# KiCad board MegaGRRLDesktop.kicad_pcb-v0.6.kicad_pcb
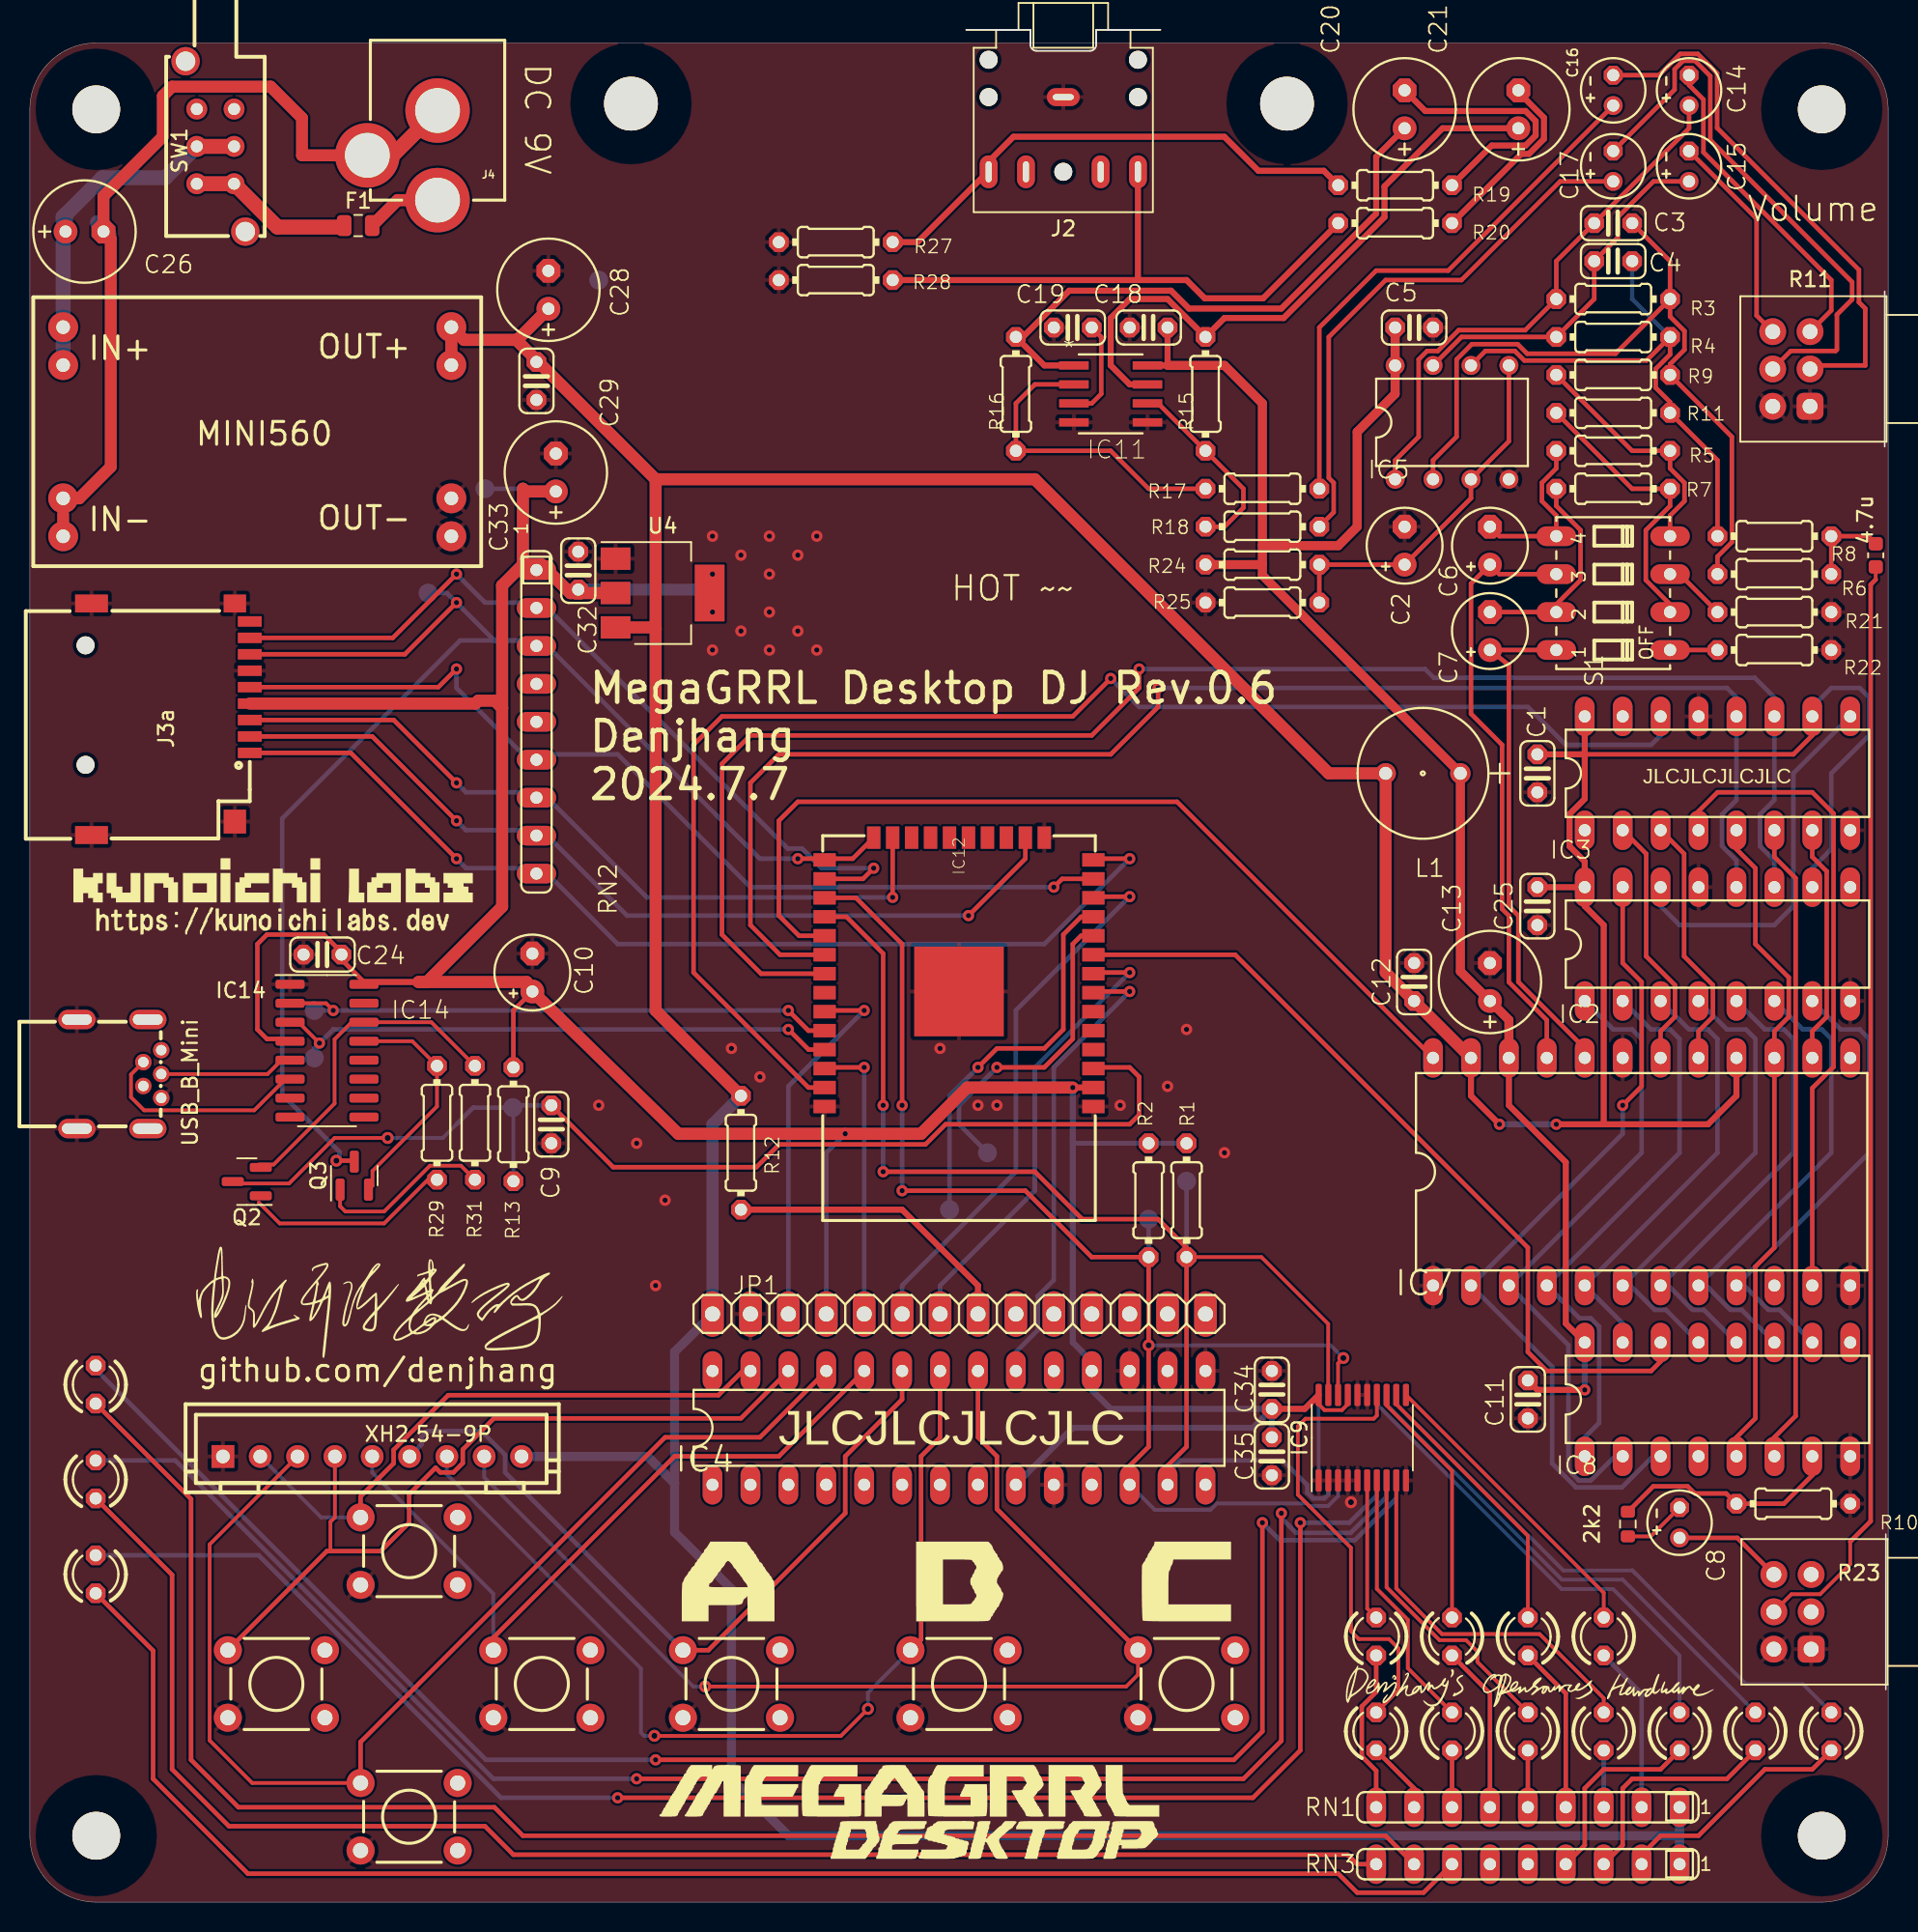
[diagram p0: board, top side]
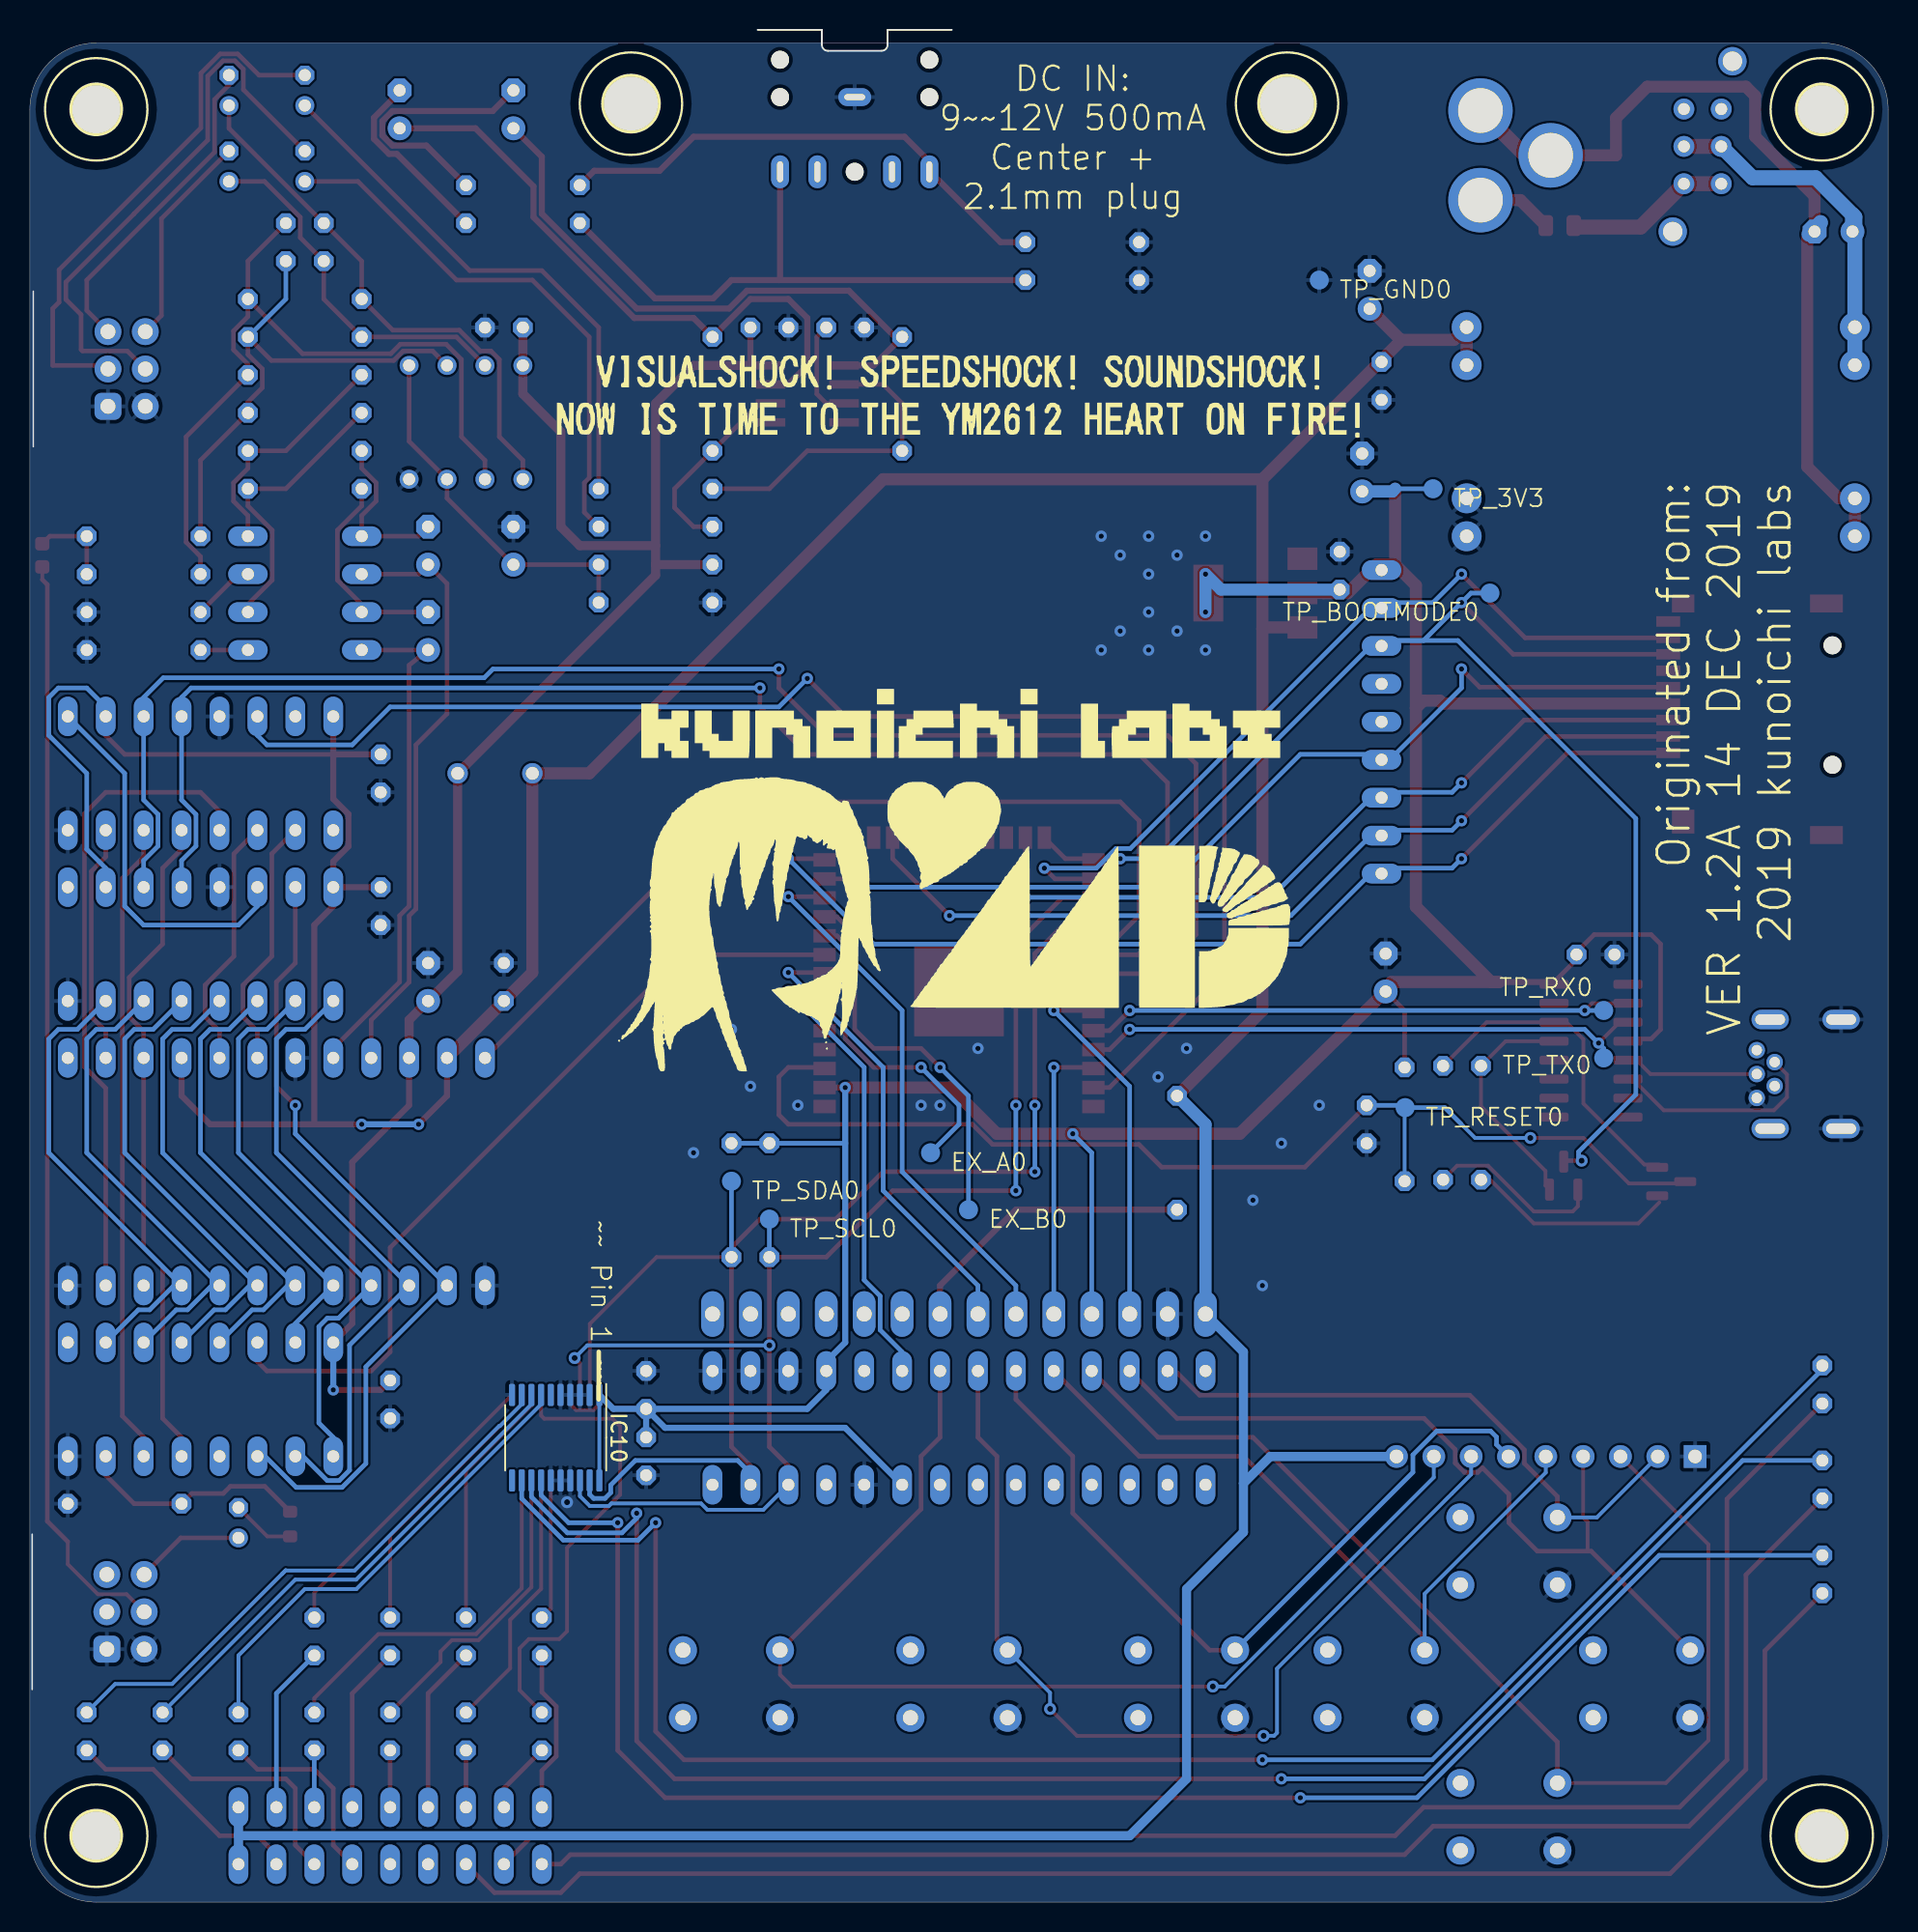
[diagram p1: board, bottom side, seen from below]

Outline 124.46 x 125.33 mm; copper layers: Top, Bottom. Coordinates in mm from the lower left corner of the outline.
Outline path: 0,120.01 0,4.44 arc(1.3,1.3) 4.44,0 120.02,0 arc(123.16,1.3) 124.46,4.44 124.46,120.01 arc(123.16,123.16) 120.02,124.46 4.44,124.46 arc(1.3,123.16) 0,120.01
Stack: Top 0.035mm / dielectric 1.51mm FR4 er 4.5 / Bottom 0.035mm

## Placement (name value [footprint] x y rotation side)
2k2  -  [R_0603_1608Metric]  107.03 25.31 270 top
4.7u  -  [C_0603_1608Metric]  123.63 90.16 90 top
C1  0.1uF  [C025-024X044]  100.96 75.56 270 top
C2  10uF  [E2,5-5]  92.08 90.8 90 top
C3  120pF  [C025-024X044]  106.05 112.39 180 top
C4  120pF  [C025-024X044]  106.05 109.85 180 top
C5  0.1uF  [C025-024X044]  92.71 105.41 0 top
C6  10uF  [E2,5-5]  97.79 90.8 90 top
C7  10uF  [E2,5-5]  97.79 85.09 90 top
C8  1uF  [E2-4]  110.49 25.4 90 top
C9  0.1uF  [C025-024X044]  34.92 52.07 270 top
C10  10uF  [E2,5-5]  33.66 62.23 90 top
C11  0.1uF  [C025-024X044]  100.33 33.66 270 top
C12  0.1uF  [C025-024X044]  92.71 61.59 90 top
C13  330uF  [E2,5-7]  97.79 61.59 90 top
C14  1uF  [E2-4]  111.12 121.28 90 top
C15  1uF  [E2-4]  111.12 116.2 90 top
C16  1uF  [E2-4]  106.05 121.28 90 top
C17  1uF  [E2-4]  106.05 116.2 90 top
C18  0.1uF  [C025-024X044]  74.93 105.41 180 top
C19  0.1uF  [C025-024X044]  69.85 105.41 180 top
C20  100uF  [E2,5-7]  92.08 120.01 90 top
C21  100uF  [E2,5-7]  99.7 120.01 90 top
C24  0.1uF  [C025-024X044]  19.6 63.43 180 top
C25  0.1uF  [C025-024X044]  100.96 66.67 270 top
C26  100uF  [E2,5-7]  3.66 111.83 0 top
C28  100uF  [E2,5-7]  34.73 107.93 90 top
C29  0.1uF  [C025-024X044]  33.93 101.83 270 top
C32  0.1uF  [C025-024X044]  36.73 89.13 90 top
C33  100uF  [E2,5-7]  35.23 95.7 90 top
C34  0.1uF  [C025-024X044]  83.18 34.29 90 top
C35  0.1uF  [C025-024X044]  83.18 29.84 270 top
EX_A0  TPB1,27  [B1,27]  64.14 50.16 180 bottom
EX_B0  TPB1,27  [B1,27]  61.59 46.35 180 bottom
F1  -  [Fuse_0805_2012Metric]  21.99 112.23 0 top
G***  LOGO  [MegaGRRL Desktop]  59.33 5.83 0 top
G***#2  LOGO  [ABC.kicad2_mod]  62.03 21.73 0 top
G***#3  LOGO  [website]  16.53 67.43 0 top
G***#4  LOGO  [Denjhang]  100.53 14.23 0 top
G***#5  LOGO  [电江]  23.23 40.23 0 top
G***#6  LOGO  [heart on fire]  62.33 100.63 180 bottom
G***#7  LOGO  [natalie-md]  62.53 68.23 180 bottom
H3  MOUNT-HOLE3.2  [3,2]  4.44 120.01 180 bottom
H4  MOUNT-HOLE3.2  [3,2]  4.44 4.44 180 bottom
H5  MOUNT-HOLE3.6  [3,6]  40.26 120.4 180 bottom
H6  MOUNT-HOLE3.6  [3,6]  84.2 120.4 180 bottom
H7  MOUNT-HOLE3.2  [3,2]  120.02 4.44 180 bottom
H8  MOUNT-HOLE3.2  [3,2]  120.02 120.01 180 bottom
IC2  74HCT595N  [DIL16]  113.03 64.13 0 top
IC3  74HCT595N  [DIL16]  113.03 75.56 0 top
IC4  MCP23017SP  [DIL28-3]  62.23 31.75 0 top
IC5  NE5532N  [DIL08]  95.25 99.06 0 top
IC7  -  [YM2612]  107.95 48.89 0 top
IC8  -  [SN76489]  107.95 33.66 0 top
IC9  PCA9634PW  [TSSOP-20_4.4x6.5mm_P0.65mm]  89.24 31.09 90 top
IC10  PCA9634PW  [TSSOP-20_4.4x6.5mm_P0.65mm]  89.24 31.09 270 bottom
IC11  TPA6111A2DR  [D8]  72.39 100.96 0 top
IC12  ESP-WROOM-32ESP-WROOM-32-NO-RF  [ESP-WROOM-32-NO-RF]  62.23 60.96 270 top
IC14  CH340C  [SOIC-16_3.9x9.9mm_P1.27mm]  19.9 57 0 top
J2  35RAPC4BHN2  [Jack_3.5mm_CUI_SJ1-3525N_Horizontal]  69.21 120.83 180 top
J3a  std:8630a74813a14cdca67e7b05dd5d2bc3  [TF-SMD_TF-PUSH]  9.43 79.18 270 top
J4  POWER_JACK  [POWER_JACK_PTH]  27.3 127.63 180 top
JP1  -  [ILI9341_2_4]  62.23 39.37 0 top
L1  RL622-101K-RC  [RL622_SERIES]  90.8 75.56 180 top
LED1  -  [LED3MM]  90.17 11.43 90 top
LED2  -  [LED3MM]  95.25 11.43 90 top
LED3  -  [LED3MM]  100.33 11.43 90 top
LED4  -  [LED3MM]  105.41 11.43 90 top
LED5  -  [LED3MM]  110.49 11.43 90 top
LED6  -  [LED3MM]  115.57 11.43 90 top
LED7  -  [LED3MM]  120.65 11.43 90 top
LED8  -  [LED3MM]  90.17 17.78 90 top
LED9  -  [LED3MM]  95.25 17.78 90 top
LED10  -  [LED3MM]  100.33 17.78 90 top
LED11  -  [LED3MM]  105.41 17.78 90 top
LED12  -  [LED3MM]  4.41 34.65 90 top
LED13  -  [LED3MM]  4.41 28.3 90 top
LED14  -  [LED3MM]  4.41 21.95 90 top
Q2  2SC1815HF  [SOT-23]  14.53 48.23 180 top
Q3  2SC1815HF  [SOT-23]  21.73 48.63 90 top
R1  2k2  [0204_7]  77.47 46.99 90 top
R2  2k2  [0204_7]  74.93 46.99 90 top
R3  82k  [0204_7]  106.05 107.31 0 top
R4  82k  [0204_7]  106.05 104.78 0 top
R5  47k  [0204_7]  106.05 97.16 180 top
R6  47K  [0204_7]  116.84 88.9 0 top
R7  47k  [0204_7]  106.05 94.61 180 top
R8  47K  [0204_7]  116.84 91.44 0 top
R9  5k6  [0204_7]  106.05 102.23 180 top
R10  2k2  [0204_7]  118.11 26.67 0 top
R11  5k6  [0204_7]  106.05 99.69 180 top
R11#2  -  [Potentiometer_Alps_RK097_Dual_Horizontal]  119.23 100.13 180 top
R12  100R  [0204_7]  47.62 50.16 90 top
R13  10k  [0204_7]  32.38 52.07 90 top
R15  15k  [0204_7]  78.74 100.96 90 top
R16  15k  [0204_7]  66.04 100.96 90 top
R17  10k  [0204_7]  82.55 94.61 180 top
R18  10k  [0204_7]  82.55 92.07 180 top
R19  10R  [0204_7]  91.44 114.94 180 top
R20  10R  [0204_7]  91.44 112.39 180 top
R21  2k2  [0204_7]  116.84 86.36 180 top
R22  2k2  [0204_7]  116.84 83.82 180 top
R23  -  [Potentiometer_Alps_RK097_Dual_Horizontal]  119.3 16.93 180 top
R24  100k  [0204_7]  82.55 89.53 180 top
R25  100k  [0204_7]  82.55 86.99 0 top
R27  10k  [0204_7]  53.98 111.12 0 top
R28  10k  [0204_7]  53.98 108.58 0 top
R29  10k  [0204_7]  27.27 52.17 270 top
R31  10k  [0204_7]  29.81 52.17 270 top
REF**  std:49f2b71367e441ef98f3fd00a8fa66d5  [MINI560DC-DC]  15.23 98.43 0 top
RN1  1k  [SIL9]  100.33 6.35 180 top
RN2  10k  [SIL9]  33.93 79.01 270 top
RN3  1k  [SIL9]  100.33 2.54 180 top
S1  -  [DIP04S]  106.05 87.63 90 top
SW1  std:d3d4a25bb1344bd597a3916e4358391c  [SW-TH_PS-22E05]  12.43 117.53 90 top
SWA0  MOMENTARY-SWITCH-SPST-PTH-6.0MM  [TACTILE_SWITCH_PTH_6.0MM]  46.99 14.6 0 top
SWB0  MOMENTARY-SWITCH-SPST-PTH-6.0MM  [TACTILE_SWITCH_PTH_6.0MM]  62.23 14.6 0 top
SWC0  MOMENTARY-SWITCH-SPST-PTH-6.0MM  [TACTILE_SWITCH_PTH_6.0MM]  77.47 14.6 0 top
SWDOWN0  MOMENTARY-SWITCH-SPST-PTH-6.0MM  [TACTILE_SWITCH_PTH_6.0MM]  25.4 5.72 0 top
SWLEFT0  MOMENTARY-SWITCH-SPST-PTH-6.0MM  [TACTILE_SWITCH_PTH_6.0MM]  16.51 14.6 0 top
SWRIGHT0  MOMENTARY-SWITCH-SPST-PTH-6.0MM  [TACTILE_SWITCH_PTH_6.0MM]  34.29 14.6 0 top
SWUP0  MOMENTARY-SWITCH-SPST-PTH-6.0MM  [TACTILE_SWITCH_PTH_6.0MM]  25.4 23.5 0 top
TP_3V3  TPB1,27  [B1,27]  30.48 94.61 180 bottom
TP_BOOTMODE0  TPB1,27  [B1,27]  26.67 87.63 180 bottom
TP_GND0  TPB1,27  [B1,27]  38.1 108.58 180 bottom
TP_RESET0  TPB1,27  [B1,27]  32.35 53.19 180 bottom
TP_RX0  TPB1,27  [B1,27]  19.05 59.69 180 bottom
TP_SCL0  TPB1,27  [B1,27]  74.93 45.72 180 bottom
TP_SDA0  TPB1,27  [B1,27]  77.47 48.26 180 bottom
TP_TX0  TPB1,27  [B1,27]  19.05 56.52 180 bottom
U4  AMS1117-3.3V  [SOT-223]  42.38 87.63 0 top
USB_B_Mini  std:7855732209194fd8b3b99fb1f41f7c12  [USB-MINI-SMD_HX-MINI-5P-4J]  5.97 55.43 270 top
XH2.54-9P  std:f55dec43d47241219f1ef8a3f0efb8e3  [CONN-TH_9P-P2.50_ZX-XH2.54-9PZZ]  22.93 29.83 0 top

## Library data of the parts
C24 C35 = -: Description: Unpolarized capacitor
IC14 = -: Description: USB serial converter, UART, SOIC-16
R29 R31 = -: Description: Resistor

## Footprints (pads in the part's own frame, mm; a bottom-side part is the same pattern mirrored in y, then rotated)
3,2
  round 3.2 hole 3.2 unplated: (0,0)
3,6
  round 3.6 hole 3.6 unplated: (0,0)
0204_7
  rrect 1.321x1.321 hole 0.813: 1(-3.81,0) 2(3.81,0)
B1,27
  rrect 1.27x1.27 smd: TP(0,0)
C025-024X044
  rrect 1.321x1.321 hole 0.813: 1(-1.27,0) 2(1.27,0)
C_0603_1608Metric
  rrect 0.9x0.95 smd: 1(-0.775,0) 2(0.775,0)
CONN-TH_9P-P2.50_ZX-XH2.54-9PZZ
  rect 1.524x1.524 hole 0.914: 1(-10,0)
  round 1.524 hole 0.914: 2(-7.5,0) 3(-5,0) 4(-2.5,0) 5(0,0) 6(2.5,0) 7(5,0) 8(7.5,0) 9(10,0)
D8
  rect 1.981x0.559 smd: 1(-2.464,1.905) 2(-2.464,0.635) 3(-2.464,-0.635) 4(-2.464,-1.905) 5(2.464,-1.905) 6(2.464,-0.635) 7(2.464,0.635) 8(2.464,1.905)
DIL08
  round 1.27 hole 0.813: 1(-3.81,-3.81) 2(-1.27,-3.81) 3(1.27,-3.81) 4(3.81,-3.81) 5(3.81,3.81) 6(1.27,3.81) 7(-1.27,3.81) 8(-3.81,3.81)
DIL16
  oval 1.321x2.642 hole 0.813: 1(-8.89,-3.81) 2(-6.35,-3.81) 3(-3.81,-3.81) 4(-1.27,-3.81) 5(1.27,-3.81) 6(3.81,-3.81) 7(6.35,-3.81) 8(8.89,-3.81) 9(8.89,3.81) 10(6.35,3.81) 11(3.81,3.81) 12(1.27,3.81) 13(-1.27,3.81) 14(-3.81,3.81) 15(-6.35,3.81) 16(-8.89,3.81)
DIL28-3
  oval 1.321x2.642 hole 0.813: 1(-16.51,-3.81) 2(-13.97,-3.81) 3(-11.43,-3.81) 4(-8.89,-3.81) 5(-6.35,-3.81) 6(-3.81,-3.81) 7(-1.27,-3.81) 8(1.27,-3.81) 9(3.81,-3.81) 10(6.35,-3.81) 11(8.89,-3.81) 12(11.43,-3.81) 13(13.97,-3.81) 14(16.51,-3.81) 15(16.51,3.81) 16(13.97,3.81) 17(11.43,3.81) 18(8.89,3.81) 19(6.35,3.81) 20(3.81,3.81) 21(1.27,3.81) 22(-1.27,3.81) 23(-3.81,3.81) 24(-6.35,3.81) 25(-8.89,3.81) 26(-11.43,3.81) 27(-13.97,3.81) 28(-16.51,3.81)
DIP04S
  oval 1.321x2.642 hole 0.813: 1(-3.81,-3.81) 2(-1.27,-3.81) 3(1.27,-3.81) 4(3.81,-3.81) 5(3.81,3.81) 6(1.27,3.81) 7(-1.27,3.81) 8(-3.81,3.81)
E2,5-5
  round 1.6 hole 0.813: +(-1.27,0)
  rrect 1.6x1.6 hole 0.813: -(1.27,0)
E2,5-7
  round 1.6 hole 0.813: +(-1.27,0)
  rrect 1.6x1.6 hole 0.813: -(1.27,0)
E2-4
  round 1.27 hole 0.813: +(-1.016,0)
  rrect 1.27x1.27 hole 0.813: -(1.016,0)
ESP-WROOM-32-NO-RF
  rect 0.9x1.5 smd: 1(7.7,9) 2(6.43,9) 3(5.16,9) 4(3.89,9) 5(2.62,9) 6(1.35,9) 7(0.08,9) 8(-1.19,9) 9(-2.46,9) 10(-3.73,9) 11(-5,9) 12(-6.27,9) 13(-7.54,9) 14(-8.81,9) 25(-8.81,-9) 26(-7.54,-9) 27(-6.27,-9) 28(-5,-9) 29(-3.73,-9) 30(-2.46,-9) 31(-1.19,-9) 32(0.08,-9) 33(1.35,-9) 34(2.62,-9) 35(3.89,-9) 36(5.16,-9) 37(6.43,-9) 38(7.7,-9)
  rect 1.5x0.9 smd: 15(-10.3,5.715) 16(-10.3,4.445) 17(-10.3,3.175) 18(-10.3,1.905) 19(-10.3,0.635) 20(-10.3,-0.635) 21(-10.3,-1.905) 22(-10.3,-3.175) 23(-10.3,-4.445) 24(-10.3,-5.715)
  rect 6x6 smd: GND(0,0)
Fuse_0805_2012Metric
  rrect 0.975x1.4 smd: 1(-0.938,0) 2(0.938,0)
ILI9341_2_4
  oval 1.524x3.048 hole 1.016: 1(-16.51,0) 2(-13.97,0) 3(-11.43,0) 4(-8.89,0) 5(-6.35,0) 6(-3.81,0) 7(-1.27,0) 8(1.27,0) 9(3.81,0) 10(6.35,0) 11(8.89,0) 12(11.43,0) 13(13.97,0) 14(16.51,0)
Jack_3.5mm_CUI_SJ1-3525N_Horizontal
  round 1.2 hole 1.2 unplated: (-5,0) (-5,-2.5) (0,5) (5,0) (5,-2.5)
  oval 1.2x2.2 hole 0.4x1.4: R(-5,5) RN(-2.5,5) T(5,5) TN(2.5,5)
  oval 2.2x1.2 hole 1.4x0.4: S(0,0)
LED3MM
  rrect 1.321x1.321 hole 0.813: A(-1.27,0) K(1.27,0)
MINI560DC-DC
  round 2 hole 0.914: 1(-13,7) 1(-13,4.46) 2(-13,-4.46) 2(-13,-7) 3(13,-4.46) 3(13,-7) 4(13,7) 4(13,4.46)
Potentiometer_Alps_RK097_Dual_Horizontal
  rrect 1.8x1.8 hole 1: 1(0,0)
  round 1.8 hole 1: 2(0,-2.5) 3(0,-5) 4(2.5,0) 5(2.5,-2.5) 6(2.5,-5)
POWER_JACK_PTH
  round 4.318 hole 2.997: GND(0,7.7) GNDBREAK(4.7,10.7) PWR(0,13.7)
R_0603_1608Metric
  rrect 0.8x0.95 smd: 1(-0.825,0) 2(0.825,0)
RL622_SERIES
  round 1.372 hole 0.864: 1(-5.004,0) 2(0,0)
SIL9
  oval 1.321x2.642 hole 0.813: 1(-10.16,0) 2(-7.62,0) 3(-5.08,0) 4(-2.54,0) 5(0,0) 6(2.54,0) 7(5.08,0) 8(7.62,0) 9(10.16,0)
SN76489
  oval 1.321x2.642 hole 0.813: /OE(8.89,-3.81) /WE(6.35,-3.81) CLOCK(1.27,3.81) D0(11.43,3.81) D1(8.89,3.81) D2(6.35,3.81) D3(3.81,3.81) D4(-1.27,3.81) D5(-3.81,-3.81) D6(-1.27,-3.81) D7(1.27,-3.81) GND(13.97,-3.81) NC(13.97,3.81) READY(3.81,-3.81) SND_OUT(11.43,-3.81) VCC(-3.81,3.81)
SOIC-16_3.9x9.9mm_P1.27mm
  rrect 1.95x0.6 smd: 1(-2.475,4.445) 2(-2.475,3.175) 3(-2.475,1.905) 4(-2.475,0.635) 5(-2.475,-0.635) 6(-2.475,-1.905) 7(-2.475,-3.175) 8(-2.475,-4.445) 9(2.475,-4.445) 10(2.475,-3.175) 11(2.475,-1.905) 12(2.475,-0.635) 13(2.475,0.635) 14(2.475,1.905) 15(2.475,3.175) 16(2.475,4.445)
SOT-23
  rrect 1.475x0.6 smd: 1(-0.938,0.95) 2(-0.938,-0.95) 3(0.938,0)
SOT-223
  rect 2x1.5 smd: 1(-3.15,2.3) 2(-3.15,0) 3(-3.15,-2.3)
  rect 2x3.8 smd: 4(3.15,0)
SW-TH_PS-22E05
  round 1.4 hole 0.8: 1(-2.5,1.25) 2(-2.5,-1.25) 3(0,-1.25) 4(0,1.25) 5(2.5,1.25) 6(2.5,-1.25)
  round 1.9 hole 1.3: 7(-5.702,-1.999) 8(5.702,1.999)
TACTILE_SWITCH_PTH_6.0MM
  round 1.88 hole 1.016: 1(-3.251,2.261) 2(3.251,2.261) 3(-3.251,-2.261) 4(3.251,-2.261)
TF-SMD_TF-PUSH
  round 1.2 hole 1.2 unplated: (-4.95,-5.7) (3.05,-5.7)
  rect 0.7x1.6 smd: 1(2.25,5.3) 2(1.15,5.3) 3(0.05,5.3) 4(-1.05,5.3) 5(-2.15,5.3) 6(-3.25,5.3) 7(-4.35,5.3) 8(-5.45,5.3) CD(-6.55,5.3)
  rect 1.2x1.5 smd: 10(-7.75,4.3)
  rect 1.2x2.2 smd: 11(-7.75,-5.3) 12(7.75,-5.3)
  rect 1.6x1.5 smd: 13(6.85,4.3)
TSSOP-20_4.4x6.5mm_P0.65mm
  rrect 1.475x0.4 smd: 1(-2.862,2.925) 2(-2.862,2.275) 3(-2.862,1.625) 4(-2.862,0.975) 5(-2.862,0.325) 6(-2.862,-0.325) 7(-2.862,-0.975) 8(-2.862,-1.625) 9(-2.862,-2.275) 10(-2.862,-2.925) 11(2.862,-2.925) 12(2.862,-2.275) 13(2.862,-1.625) 14(2.862,-0.975) 15(2.862,-0.325) 16(2.862,0.325) 17(2.862,0.975) 18(2.862,1.625) 19(2.862,2.275) 20(2.862,2.925)
USB-MINI-SMD_HX-MINI-5P-4J
  round 1.1 hole 0.7: 1(-1.6,2.825) 2(-0.8,1.625) 3(0,2.825) 4(0.8,1.625) 5(1.6,2.825)
  oval 1.3x2.5 hole 0.7x2: 6(3.65,1.925) 6(3.65,-2.825) 7(-3.65,1.925) 7(-3.65,-2.825)
YM2612
  oval 1.321x2.642 hole 0.813: /CS(11.43,7.62) /IC(11.43,-7.62) /IRQ(13.97,7.62) /RD(6.35,7.62) /WR(8.89,7.62) A0(3.81,7.62) A1(1.27,7.62) AGND(-1.27,7.62) AVCC(-8.89,7.62) D0(-11.43,-7.62) D1(-8.89,-7.62) D2(-6.35,-7.62) D3(-3.81,-7.62) D4(-1.27,-7.62) D5(1.27,-7.62) D6(3.81,-7.62) D7(6.35,-7.62) GND@1(-13.97,-7.62) GND@2(13.97,-7.62) M(-13.97,7.62) MOL(-6.35,7.62) MOR(-3.81,7.62) NC(8.89,-7.62) VCC(-11.43,7.62)
